# Altium PCB NURIP.PcbDoc (part 12 of 14) (continued)
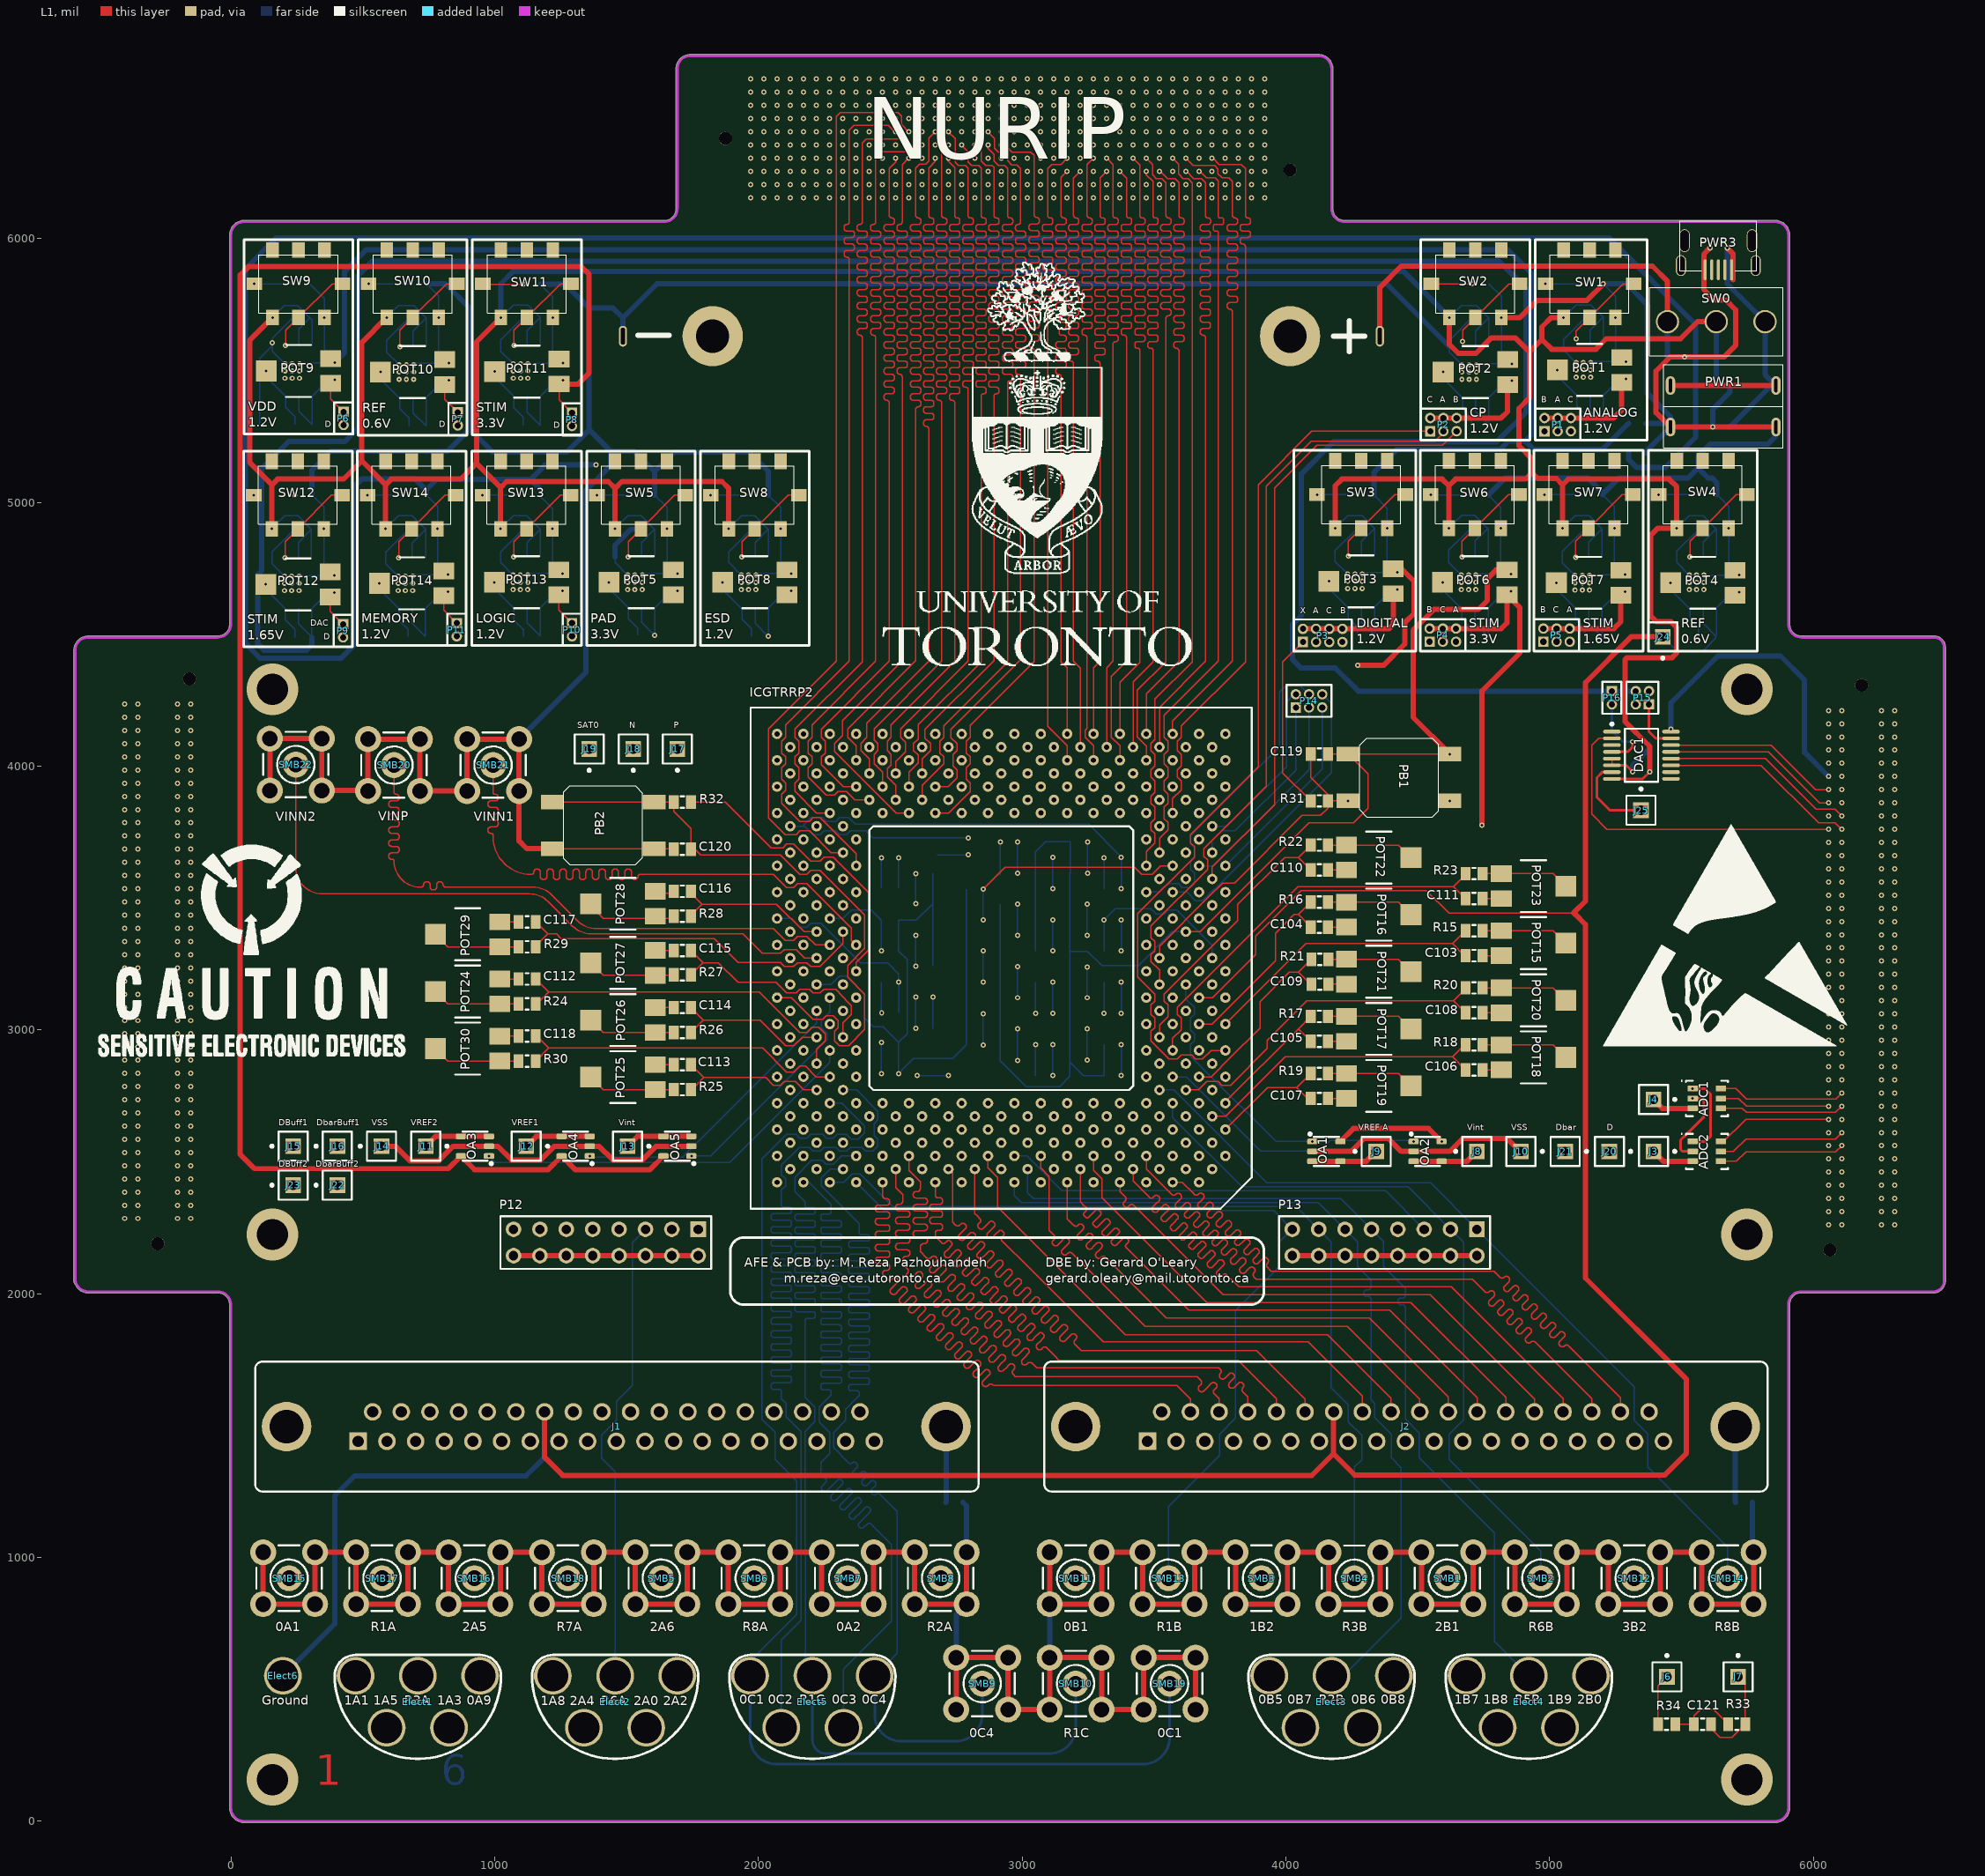
[diagram p0: L1 view]
## Nets (pads, with @x,y where several pads share a name; then routed paths per layer and width w, separated by ;. In a path a pad name is that pad's centre, name@x,y a point inside that pad or via, vN(x,y) a via of type N, cw(c..) or ccw(c..) an arc to the next point about the centre after c; other vN are vias at no path point) (continued)
PER_ADDR(9): FMC1.D23 ICGTRRP2.AM12 | length 3145.3
  L3 w5: v1(3070.24,6454.92) 3096.46,6428.7 3096.46,6088.58 3096.46,6084.51 ccw(c3104.73,6084.51) 3104.73,6076.24 cw(c3104.73,6065.13) 3115.84,6065.13 3115.84,6062.66 cw(c3104.73,6062.66) 3104.73,6051.56 3096.46,6051.56 3088.2,6051.56 ccw(c3088.2,6040.45) 3077.09,6040.45 3077.09,6037.98 ccw(c3088.2,6037.98) 3088.2,6026.87 3096.46,6026.87 3104.41,6026.87 cw(c3104.41,6015.76) 3115.52,6015.76 3115.52,6013.29 cw(c3104.41,6013.29) 3104.41,6002.19 3096.46,6002.19 3088.2,6002.19 ccw(c3088.2,5991.08) 3077.09,5991.08 3077.09,5988.61 ccw(c3088.2,5988.61) 3088.2,5977.5 3096.46,5977.5 3104.41,5977.5 cw(c3104.41,5966.39) 3115.52,5966.39 3115.52,5963.92 cw(c3104.41,5963.92) 3104.41,5952.82 3096.46,5952.82 3088.2,5952.82 ccw(c3088.2,5941.71) 3077.09,5941.71 3077.09,5939.24 ccw(c3088.2,5939.24) 3088.2,5928.13 3096.46,5928.13 3104.41,5928.13 cw(c3104.41,5917.02) 3115.52,5917.02 3115.52,5914.55 cw(c3104.41,5914.55) 3104.41,5903.45 3096.46,5903.45 3088.2,5903.45 ccw(c3088.2,5892.34) 3077.09,5892.34 3077.09,5889.87 ccw(c3088.2,5889.87) 3088.2,5878.76 3096.46,5878.76 3104.41,5878.76 cw(c3104.41,5867.65) 3115.52,5867.65 3115.52,5865.18 cw(c3104.41,5865.18) 3104.41,5854.08 3096.46,5854.08 3088.2,5854.08 ccw(c3088.2,5842.97) 3077.09,5842.97 3077.09,5840.5 ccw(c3088.2,5840.5) 3088.2,5829.39 3096.46,5829.39 3104.41,5829.39 cw(c3104.41,5818.28) 3115.52,5818.28 3115.52,5815.81 cw(c3104.41,5815.81) 3104.41,5804.71 3096.46,5804.71 3088.2,5804.71 ccw(c3088.2,5793.6) 3077.09,5793.6 3077.09,5791.13 ccw(c3088.2,5791.13) 3088.2,5780.02 3096.46,5780.02 3104.41,5780.02 cw(c3104.41,5768.91) 3115.52,5768.91 3115.52,5766.44 cw(c3104.41,5766.44) 3104.41,5755.34 3096.46,5755.34 3088.2,5755.34 ccw(c3088.2,5744.23) 3077.09,5744.23 3077.09,5741.76 ccw(c3088.2,5741.76) 3088.2,5730.65 3096.46,5730.65 3104.71,5730.65 cw(c3104.71,5719.54) 3115.82,5719.54 3115.82,5717.07 cw(c3104.71,5717.07) 3104.71,5705.97 3096.46,5705.97 3088.2,5705.97 ccw(c3088.2,5694.86) 3077.09,5694.86 3077.09,5692.39 ccw(c3088.2,5692.39) 3088.2,5681.28 3096.46,5681.28 3104.71,5681.28 cw(c3104.71,5670.17) 3115.82,5670.17 3115.82,5667.7 cw(c3104.71,5667.7) 3104.71,5656.6 3096.46,5656.6 3088.2,5656.6 ccw(c3088.2,5645.49) 3077.09,5645.49 3077.09,5643.02 ccw(c3088.2,5643.02) 3088.2,5631.91 3096.46,5631.91 3104.71,5631.91 cw(c3104.71,5620.8) 3115.82,5620.8 3115.82,5618.33 cw(c3104.71,5618.33) 3104.71,5607.23 3096.46,5607.23 3088.2,5607.23 ccw(c3088.2,5596.12) 3077.09,5596.12 3077.09,5593.65 ccw(c3088.2,5593.65) 3088.2,5582.54 3087.9,5582.54 cw(c3087.88,5573.96) 3096.46,5573.96 3096.46,5517.72 3096.46,5204.72 3220.71,5080.47 3220.71,4117.72 3252.89,4085.54 3252.89,4058.87 3220.71,4026.69 ICGTRRP2.AM12@3220.71,3972.2
PER_ADDR(10): FMC1.D18 ICGTRRP2.AJ13 | length 3146.4
  L3 w5: v1(2820.24,6454.92) 2844.49,6430.67 2844.49,6090.55 2844.49,6088.06 ccw(c2854.34,6088.06) 2854.34,6078.21 cw(c2854.34,6068.33) 2864.22,6068.33 2864.22,6063.4 cw(c2854.34,6063.4) 2854.34,6053.52 2844.49,6053.52 2834.64,6053.52 ccw(c2834.64,6043.65) 2824.76,6043.65 2824.76,6038.71 ccw(c2834.64,6038.71) 2834.64,6028.84 2844.49,6028.84 2854.34,6028.84 cw(c2854.34,6018.96) 2864.22,6018.96 2864.22,6014.03 cw(c2854.34,6014.03) 2854.34,6004.15 2844.49,6004.15 2834.64,6004.15 ccw(c2834.64,5994.28) 2824.76,5994.28 2824.76,5989.34 ccw(c2834.64,5989.34) 2834.64,5979.47 2844.49,5979.47 2854.34,5979.47 cw(c2854.34,5969.59) 2864.22,5969.59 2864.22,5964.66 cw(c2854.34,5964.66) 2854.34,5954.78 2844.49,5954.78 2834.64,5954.78 ccw(c2834.64,5944.91) 2824.76,5944.91 2824.76,5939.97 ccw(c2834.64,5939.97) 2834.64,5930.1 2844.49,5930.1 2854.34,5930.1 cw(c2854.34,5920.22) 2864.22,5920.22 2864.22,5915.29 cw(c2854.34,5915.29) 2854.34,5905.41 ccw(c2854.34,5895.56) 2844.49,5895.56 2844.49,5870.08 2844.49,5224.41 3007.87,5061.02 3007.87,4104.89 2988.52,4085.54 2988.52,4058.87 3002.89,4044.5 3002.89,3999.91 2988.52,3985.54 2988.52,3958.87 3013.01,3934.39 3013.01,3910.02 2988.52,3885.54 2988.52,3858.87 3057.38,3790.02 3084.04,3790.02 3116.23,3822.2 ICGTRRP2.AJ13@3170.71,3822.2
PER_ADDR(11): FMC1.C19 ICGTRRP2.AL13 | length 3150.5
  L3 w5: v1(2870.24,6504.92) 2873.27,6504.92 2900.77,6477.42 3034.39,6477.42 3045.28,6466.54 3045.28,6090.55 3045.28,6088.06 ccw(c3055.13,6088.06) 3055.13,6078.21 cw(c3055.13,6068.33) 3065,6068.33 3065,6063.4 cw(c3055.13,6063.4) 3055.13,6053.52 3045.28,6053.52 3036.18,6053.52 ccw(c3036.18,6043.65) 3026.3,6043.65 3026.3,6038.71 ccw(c3036.18,6038.71) 3036.18,6028.84 3045.28,6028.84 3055.13,6028.84 cw(c3055.13,6018.96) 3065,6018.96 3065,6014.03 cw(c3055.13,6014.03) 3055.13,6004.15 3045.28,6004.15 3036.18,6004.15 ccw(c3036.18,5994.28) 3026.3,5994.28 3026.3,5989.34 ccw(c3036.18,5989.34) 3036.18,5979.47 3045.28,5979.47 3055.13,5979.47 cw(c3055.13,5969.59) 3065,5969.59 3065,5964.66 cw(c3055.13,5964.66) 3055.13,5954.78 3045.28,5954.78 3036.18,5954.78 ccw(c3036.18,5944.91) 3026.3,5944.91 3026.3,5939.97 ccw(c3036.18,5939.97) 3036.18,5930.1 3045.28,5930.1 3055.13,5930.1 cw(c3055.13,5920.22) 3065,5920.22 3065,5915.29 cw(c3055.13,5915.29) 3055.13,5905.41 3045.28,5905.41 3036.18,5905.41 ccw(c3036.18,5895.54) 3026.3,5895.54 3026.3,5890.6 ccw(c3036.18,5890.6) 3036.18,5880.73 3045.28,5880.73 3055.13,5880.73 cw(c3055.13,5870.85) 3065,5870.85 3065,5865.92 cw(c3055.13,5865.92) 3055.13,5856.04 3045.28,5856.04 3036.18,5856.04 ccw(c3036.18,5846.17) 3026.3,5846.17 3026.3,5841.23 ccw(c3036.18,5841.23) 3036.18,5831.36 3045.28,5831.36 3055.13,5831.36 cw(c3055.13,5821.48) 3065,5821.48 3065,5816.55 cw(c3055.13,5816.55) 3055.13,5806.67 ccw(c3055.13,5796.82) 3045.28,5796.82 3045.28,5714.57 3045.28,5208.66 3202.89,5051.04 3202.89,4099.91 3188.52,4085.54 3188.52,4058.87 3202.89,4044.5 3202.89,4008.87 3170.71,3976.69 ICGTRRP2.AL13@3170.71,3922.2
PER_ADDR(12): FMC1.D20 ICGTRRP2.AK14 | length 3151.1
  L3 w5: v1(2920.24,6454.92) 2944.88,6430.28 2944.88,6090.55 2944.88,6088.06 ccw(c2954.73,6088.06) 2954.73,6078.21 cw(c2954.73,6068.33) 2964.61,6068.33 2964.61,6063.4 cw(c2954.73,6063.4) 2954.73,6053.52 2944.88,6053.52 2935.06,6053.52 ccw(c2935.06,6043.65) 2925.18,6043.65 2925.18,6038.71 ccw(c2935.06,6038.71) 2935.06,6028.84 2944.88,6028.84 2954.71,6028.84 cw(c2954.71,6018.96) 2964.58,6018.96 2964.58,6014.03 cw(c2954.71,6014.03) 2954.71,6004.15 2944.88,6004.15 2935.06,6004.15 ccw(c2935.06,5994.28) 2925.18,5994.28 2925.18,5989.34 ccw(c2935.06,5989.34) 2935.06,5979.47 2944.88,5979.47 2954.71,5979.47 cw(c2954.71,5969.59) 2964.58,5969.59 2964.58,5964.66 cw(c2954.71,5964.66) 2954.71,5954.78 2944.88,5954.78 2935.06,5954.78 ccw(c2935.06,5944.91) 2925.18,5944.91 2925.18,5939.97 ccw(c2935.06,5939.97) 2935.06,5930.1 2944.88,5930.1 2954.71,5930.1 cw(c2954.71,5920.22) 2964.58,5920.22 2964.58,5915.29 cw(c2954.71,5915.29) 2954.71,5905.41 2944.88,5905.41 2935.06,5905.41 ccw(c2935.06,5895.54) 2925.18,5895.54 2925.18,5890.6 ccw(c2935.06,5890.6) 2935.06,5880.73 2944.88,5880.73 2954.71,5880.73 cw(c2954.71,5870.85) 2964.58,5870.85 2964.58,5865.92 cw(c2954.71,5865.92) 2954.71,5856.04 2944.88,5856.04 2935.06,5856.04 ccw(c2935.06,5846.17) 2925.18,5846.17 2925.18,5841.23 ccw(c2935.06,5841.23) 2935.06,5831.36 2944.88,5831.36 2954.71,5831.36 cw(c2954.71,5821.48) 2964.58,5821.48 2964.58,5816.55 cw(c2954.71,5816.55) 2954.71,5806.67 2944.88,5806.67 2935.06,5806.67 ccw(c2935.06,5796.8) 2925.18,5796.8 2925.18,5791.86 ccw(c2935.06,5791.86) 2935.06,5781.99 2944.88,5781.99 2954.71,5781.99 cw(c2954.71,5772.11) 2964.58,5772.11 2964.58,5767.18 cw(c2954.71,5767.18) 2954.71,5757.3 2944.88,5757.3 2935.06,5757.3 ccw(c2935.06,5747.43) 2925.18,5747.43 2925.18,5742.49 ccw(c2935.06,5742.49) 2935.06,5732.62 2944.88,5732.62 2954.71,5732.62 cw(c2954.71,5722.74) 2964.58,5722.74 2964.58,5717.81 cw(c2954.71,5717.81) 2954.71,5707.93 ; 2954.73,5707.93 ccw(c2954.73,5698.08) 2944.88,5698.08 2944.88,5645.67 2944.88,5214.57 3110.24,5049.21 3110.24,4107.25 3088.52,4085.54 3088.52,4058.87 3102.89,4044.5 3102.89,3999.91 3088.52,3985.54 3088.52,3958.87 3120.71,3926.69 ICGTRRP2.AK14@3120.71,3872.2
PER_ADDR(13): FMC1.D21 ICGTRRP2.AM14 | length 3145.2
  L3 w5: v1(2970.24,6454.92) 2998.03,6427.13 2998.03,6414.54 2997.74,6414.24 2997.74,6088.58 2997.74,6084.14 ccw(c3005.63,6084.14) 3005.63,6076.24 cw(c3005.63,6065.13) 3016.74,6065.13 3016.74,6062.66 cw(c3005.63,6062.66) 3005.63,6051.56 2997.74,6051.56 2989.42,6051.56 ccw(c2989.42,6040.45) 2978.32,6040.45 2978.32,6037.98 ccw(c2989.42,6037.98) 2989.42,6026.87 2997.74,6026.87 3005.37,6026.87 cw(c3005.37,6015.76) 3016.47,6015.76 3016.47,6013.29 cw(c3005.37,6013.29) 3005.37,6002.19 2997.74,6002.19 2989.42,6002.19 ccw(c2989.42,5991.08) 2978.32,5991.08 2978.32,5988.61 ccw(c2989.42,5988.61) 2989.42,5977.5 2997.74,5977.5 3005.37,5977.5 cw(c3005.37,5966.39) 3016.47,5966.39 3016.47,5963.92 cw(c3005.37,5963.92) 3005.37,5952.82 2997.74,5952.82 2989.42,5952.82 ccw(c2989.42,5941.71) 2978.32,5941.71 2978.32,5939.24 ccw(c2989.42,5939.24) 2989.42,5928.13 2997.74,5928.13 3005.37,5928.13 cw(c3005.37,5917.02) 3016.47,5917.02 3016.47,5914.55 cw(c3005.37,5914.55) 3005.37,5903.45 2997.74,5903.45 2989.42,5903.45 ccw(c2989.42,5892.34) 2978.32,5892.34 2978.32,5889.87 ccw(c2989.42,5889.87) 2989.42,5878.76 2997.74,5878.76 3005.37,5878.76 cw(c3005.37,5867.65) 3016.47,5867.65 3016.47,5865.18 cw(c3005.37,5865.18) 3005.37,5854.08 2997.74,5854.08 2989.42,5854.08 ccw(c2989.42,5842.97) 2978.32,5842.97 2978.32,5840.5 ccw(c2989.42,5840.5) 2989.42,5829.39 2997.74,5829.39 3006.05,5829.39 cw(c3006.05,5818.28) 3017.16,5818.28 3017.16,5815.81 cw(c3006.05,5815.81) 3006.05,5804.71 2997.74,5804.71 2989.42,5804.71 ccw(c2989.42,5793.6) 2978.32,5793.6 2978.32,5791.13 ccw(c2989.42,5791.13) 2989.42,5780.02 2997.74,5780.02 3006.05,5780.02 cw(c3006.05,5768.91) 3017.16,5768.91 3017.16,5766.44 cw(c3006.05,5766.44) 3006.05,5755.34 2997.74,5755.34 2989.42,5755.34 ccw(c2989.42,5744.23) 2978.32,5744.23 2978.32,5741.76 ccw(c2989.42,5741.76) 2989.42,5730.65 2997.74,5730.65 3006.05,5730.65 cw(c3006.05,5719.54) 3017.16,5719.54 3017.16,5717.07 cw(c3006.05,5717.07) 3006.05,5705.97 2997.74,5705.97 2989.42,5705.97 ccw(c2989.42,5694.86) 2978.32,5694.86 2978.32,5692.39 ccw(c2989.42,5692.39) 2989.42,5681.28 2997.74,5681.28 3006.05,5681.28 cw(c3006.05,5670.17) 3017.16,5670.17 3017.16,5667.7 cw(c3006.05,5667.7) 3006.05,5656.6 2997.74,5656.6 2989.42,5656.6 ccw(c2989.42,5645.49) 2978.32,5645.49 2978.32,5643.02 ccw(c2989.42,5643.02) 2989.42,5631.91 2997.74,5631.91 3006.05,5631.91 cw(c3006.05,5620.8) 3017.16,5620.8 3017.16,5618.33 cw(c3006.05,5618.33) 3006.05,5607.23 2997.74,5607.23 2989.42,5607.23 ccw(c2989.42,5596.12) 2978.32,5596.12 2978.32,5593.65 ccw(c2989.42,5593.65) 2989.42,5582.54 2989.17,5582.54 cw(c2989.16,5573.96) 2997.74,5573.96 2997.74,5535.43 2997.74,5208.96 3133.86,5072.83 3133.86,4104.57 3152.89,4085.54 3152.89,4058.87 3120.71,4026.69 ICGTRRP2.AM14@3120.71,3972.2
PER_EN: FMC1.D11 ICGTRRP2.AN15 | length 2726.8
  L4 w5: v1(2470.24,6454.92) 2470.24,6440.71 2447.74,6418.21 2447.74,4599.51 3022.22,4025.02 3067.89,4025.02 ICGTRRP2.AN15@3070.71,4022.2
PER_WEN: FMC1.D14 ICGTRRP2.AP14 | length 2611.7
  L2 w5: v1@2620.24,6451.89 v1(2620.24,6454.92)
  L4 w5: v1(2620.24,6454.92) 2597.74,6432.42 2597.74,4646.36 3120.71,4123.39 ICGTRRP2.AP14@3120.71,4072.2
PHI1_A: FMC2.H26 ICGTRRP2.N5 | length 2847
  L4 w5: ICGTRRP2.N5@3570.71,3022.2 3570.71,2972.6 3603.29,2940.02 3634.04,2940.02 3648.5,2954.48 3692.91,2954.48 3707.38,2940.02 3743.01,2940.02 3757.38,2954.39 3865.81,2954.39 3872.28,2960.87 5532.92,2960.87 ccw(c5532.92,2963.72) 5535.77,2963.72 cw(c5545.64,2963.72) 5545.64,2973.59 5550.58,2973.59 cw(c5550.58,2963.72) 5560.45,2963.72 5560.45,2954.99 ccw(c5570.33,2954.99) 5570.33,2945.12 5575.26,2945.12 ccw(c5575.26,2954.99) 5585.14,2954.99 5585.14,2963.72 cw(c5595.01,2963.72) 5595.01,2973.59 5599.95,2973.59 cw(c5599.95,2963.72) 5609.82,2963.72 5609.82,2954.99 ccw(c5619.7,2954.99) 5619.7,2945.12 5624.63,2945.12 ccw(c5624.63,2954.99) 5634.51,2954.99 5634.51,2963.72 cw(c5644.38,2963.72) 5644.38,2973.59 5649.32,2973.59 cw(c5649.32,2963.72) 5659.19,2963.72 5659.19,2954.99 ccw(c5669.07,2954.99) 5669.07,2945.12 5674,2945.12 ccw(c5674,2954.99) 5683.88,2954.99 5683.88,2963.72 cw(c5693.75,2963.72) 5693.75,2973.59 5698.69,2973.59 cw(c5698.69,2963.72) 5708.56,2963.72 5708.56,2954.99 ccw(c5718.44,2954.99) 5718.44,2945.12 5723.37,2945.12 ccw(c5723.37,2954.99) 5733.25,2954.99 5733.25,2963.72 cw(c5743.12,2963.72) 5743.12,2973.59 5748.06,2973.59 cw(c5748.06,2963.72) 5757.93,2963.72 5757.93,2954.99 ccw(c5767.81,2954.99) 5767.81,2945.12 5772.74,2945.12 ccw(c5772.74,2954.99) 5782.62,2954.99 5782.62,2963.72 cw(c5792.49,2963.72) 5792.49,2973.59 5797.43,2973.59 cw(c5797.43,2963.72) 5807.3,2963.72 5807.3,2954.99 ccw(c5817.18,2954.99) 5817.18,2945.12 5822.11,2945.12 ccw(c5822.11,2954.99) 5831.99,2954.99 5831.99,2963.57 cw(c5841.86,2963.57) 5841.86,2973.44 5846.8,2973.44 cw(c5846.8,2963.57) 5856.67,2963.57 5856.67,2954.99 ccw(c5866.55,2954.99) 5866.55,2945.12 5871.48,2945.12 ccw(c5871.48,2954.99) 5881.36,2954.99 cw(c5887.23,2954.99) 5887.23,2960.87 v1(6058.07,2960.87)
PHI1_B: FMC2.H13 ICGTRRP2.AC3 | length 2853.1
  L4 w5: ICGTRRP2.AC3@3670.71,3522.2 3725.19,3522.2 3757.38,3554.39 3784.04,3554.39 3828.08,3598.43 5406.47,3598.43 cw(c5406.47,3592.55) 5412.34,3592.64 ; v1(6058.07,3610.87) 6045.63,3598.43 5887.23,3598.43 ccw(c5887.23,3592.55) 5881.36,3592.55 cw(c5871.48,3592.55) 5871.48,3582.68 5866.55,3582.68 cw(c5866.55,3592.55) 5856.67,3592.55 5856.67,3604.2 ccw(c5846.8,3604.2) 5846.8,3614.08 5841.86,3614.08 ccw(c5841.86,3604.2) 5831.99,3604.2 5831.99,3592.65 cw(c5822.11,3592.65) 5822.11,3582.77 5817.18,3582.77 cw(c5817.18,3592.65) 5807.3,3592.65 5807.3,3604.2 ccw(c5797.43,3604.2) 5797.43,3614.08 5792.49,3614.08 ccw(c5792.49,3604.2) 5782.62,3604.2 5782.62,3592.65 cw(c5772.74,3592.65) 5772.74,3582.77 5767.81,3582.77 cw(c5767.81,3592.65) 5757.93,3592.65 5757.93,3604.2 ccw(c5748.06,3604.2) 5748.06,3614.08 5743.12,3614.08 ccw(c5743.12,3604.2) 5733.25,3604.2 5733.25,3592.65 cw(c5723.37,3592.65) 5723.37,3582.77 5718.44,3582.77 cw(c5718.44,3592.65) 5708.56,3592.65 5708.56,3604.2 ccw(c5698.69,3604.2) 5698.69,3614.08 5693.75,3614.08 ccw(c5693.75,3604.2) 5683.88,3604.2 5683.88,3592.65 cw(c5674,3592.65) 5674,3582.77 5669.07,3582.77 cw(c5669.07,3592.65) 5659.19,3592.65 5659.19,3604.2 ccw(c5649.32,3604.2) 5649.32,3614.08 5644.38,3614.08 ccw(c5644.38,3604.2) 5634.51,3604.2 5634.51,3592.65 cw(c5624.63,3592.65) 5624.63,3582.77 5619.7,3582.77 cw(c5619.7,3592.65) 5609.82,3592.65 5609.82,3604.2 ccw(c5599.95,3604.2) 5599.95,3614.08 5595.01,3614.08 ccw(c5595.01,3604.2) 5585.14,3604.2 5585.14,3592.65 cw(c5575.26,3592.65) 5575.26,3582.77 5570.33,3582.77 cw(c5570.33,3592.65) 5560.45,3592.65 5560.45,3604.2 ccw(c5550.58,3604.2) 5550.58,3614.08 5545.64,3614.08 ccw(c5545.64,3604.2) 5535.77,3604.2 5535.77,3592.65 cw(c5525.89,3592.65) 5525.89,3582.77 5520.96,3582.77 cw(c5520.96,3592.65) 5511.08,3592.65 5511.08,3604.2 ccw(c5501.21,3604.2) 5501.21,3614.08 5496.27,3614.08 ccw(c5496.27,3604.2) 5486.4,3604.2 5486.4,3592.65 cw(c5476.52,3592.65) 5476.52,3582.77 5471.59,3582.77 cw(c5471.59,3592.65) 5461.71,3592.65 5461.71,3604.2 ccw(c5451.84,3604.2) 5451.84,3614.08 5446.9,3614.08 ccw(c5446.9,3604.2) 5437.03,3604.2 5437.03,3592.65 cw(c5427.15,3592.65) 5427.15,3582.77 5422.22,3582.77 cw(c5422.22,3592.65) 5412.34,3592.56 ; 5412.34,3592.56 ccw(c5406.47,3592.55) 5412.34,3592.64 ; 5412.34,3592.56 cw(c5422.22,3592.65) 5412.34,3592.64 ; 5412.34,3592.56 5412.34,3592.64
PHI1_D: FMC3.H16 ICGTRRP2.K34 | length 2700.4
  L4 w5: v1(-152.56,3035.2) 21.63,3035.2 ccw(c21.63,3037.73) 24.15,3037.73 cw(c36.5,3037.73) 36.5,3050.07 cw(c36.5,3037.73) 48.84,3037.73 48.84,3031.79 ccw(c61.18,3031.79) 61.18,3019.45 ccw(c61.18,3031.79) 73.52,3031.79 73.52,3037.73 cw(c85.87,3037.73) 85.87,3050.07 cw(c85.87,3037.73) 98.21,3037.73 98.21,3031.79 ccw(c110.55,3031.79) 110.55,3019.45 ccw(c110.55,3031.79) 122.89,3031.79 122.89,3037.73 cw(c135.24,3037.73) 135.24,3050.07 cw(c135.24,3037.73) 147.58,3037.73 147.58,3031.79 ccw(c159.92,3031.79) 159.92,3019.45 ccw(c159.92,3031.79) 172.26,3031.79 172.26,3037.73 cw(c184.61,3037.73) 184.61,3050.07 cw(c184.61,3037.73) 196.95,3037.73 196.95,3031.79 ccw(c209.29,3031.79) 209.29,3019.45 ccw(c209.29,3031.79) 221.63,3031.79 221.63,3037.73 cw(c233.98,3037.73) 233.98,3050.07 cw(c233.98,3037.73) 246.32,3037.73 246.32,3031.79 ccw(c258.66,3031.79) 258.66,3019.45 ccw(c258.66,3031.79) 271,3031.79 271,3037.73 cw(c283.35,3037.73) 283.35,3050.07 cw(c283.35,3037.73) 295.69,3037.73 295.69,3031.79 ccw(c308.03,3031.79) 308.03,3019.45 ccw(c308.03,3031.79) 320.37,3031.79 320.37,3037.73 cw(c332.72,3037.73) 332.72,3050.07 cw(c332.72,3037.73) 345.06,3037.73 345.06,3031.79 ccw(c357.4,3031.79) 357.4,3019.45 ccw(c357.4,3031.79) 369.74,3031.79 369.74,3037.73 cw(c382.09,3037.73) 382.09,3050.07 cw(c382.09,3037.73) 394.43,3037.73 394.43,3031.79 ccw(c406.77,3031.79) 406.77,3019.45 ccw(c406.77,3031.79) 419.11,3031.79 419.11,3038.6 cw(c431.46,3038.6) 431.46,3050.94 cw(c431.46,3038.6) 443.8,3038.6 443.8,3031.79 ccw(c456.14,3031.79) 456.14,3019.45 ccw(c456.14,3031.79) 468.48,3031.79 cw(c471.89,3031.79) 471.89,3035.2 1848.66,3035.2 2011.65,2872.2 ICGTRRP2.K34@2120.71,2872.2
PHI2_A: FMC2.H23 ICGTRRP2.P6 | length 2853
  L4 w5: ICGTRRP2.P6@3520.71,3072.2 3575.19,3072.2 3608.27,3105.28 3642.12,3105.28 3657.38,3090.02 3684.04,3090.02 3698.41,3104.39 3742.12,3104.39 3756.49,3090.02 3845.93,3090.02 3866.77,3110.87 5506.44,3110.87 cw(c5506.44,3106.23) 5511.08,3106.27 ccw(c5522.19,3106.27) 5522.19,3095.17 5524.66,3095.17 ccw(c5524.66,3106.27) 5535.77,3106.27 5535.77,3111.96 cw(c5546.88,3111.96) 5546.88,3123.07 5549.35,3123.07 cw(c5549.35,3111.96) 5560.45,3111.96 5560.45,3106.27 ccw(c5571.56,3106.27) 5571.56,3095.17 5574.03,3095.17 ccw(c5574.03,3106.27) 5585.14,3106.27 5585.14,3111.96 cw(c5596.25,3111.96) 5596.25,3123.07 5598.72,3123.07 cw(c5598.72,3111.96) 5609.82,3111.96 5609.82,3106.27 ccw(c5620.93,3106.27) 5620.93,3095.17 5623.4,3095.17 ccw(c5623.4,3106.27) 5634.51,3106.27 5634.51,3111.96 cw(c5645.62,3111.96) 5645.62,3123.07 5648.09,3123.07 cw(c5648.09,3111.96) 5659.19,3111.96 5659.19,3106.27 ccw(c5670.3,3106.27) 5670.3,3095.17 5672.77,3095.17 ccw(c5672.77,3106.27) 5683.88,3106.27 5683.88,3111.96 cw(c5694.99,3111.96) 5694.99,3123.07 5697.46,3123.07 cw(c5697.46,3111.96) 5708.56,3111.96 5708.56,3106.27 ccw(c5719.67,3106.27) 5719.67,3095.17 5722.14,3095.17 ccw(c5722.14,3106.27) 5733.25,3106.27 5733.25,3111.96 cw(c5744.36,3111.96) 5744.36,3123.07 5746.83,3123.07 cw(c5746.83,3111.96) 5757.93,3111.96 5757.93,3106.27 ccw(c5769.04,3106.27) 5769.04,3095.17 5771.51,3095.17 ccw(c5771.51,3106.27) 5782.62,3106.27 5782.62,3111.96 cw(c5793.73,3111.96) 5793.73,3123.07 5796.2,3123.07 cw(c5796.2,3111.96) 5807.3,3111.96 5807.3,3106.27 ccw(c5818.41,3106.27) 5818.41,3095.17 5820.88,3095.17 ccw(c5820.88,3106.27) 5831.99,3106.27 5831.99,3111.89 cw(c5843.1,3111.89) 5843.1,3123 5845.57,3123 cw(c5845.57,3111.89) 5856.67,3111.89 5856.67,3106.23 ccw(c5867.78,3106.23) 5867.78,3095.12 5870.25,3095.12 ccw(c5870.25,3106.23) 5881.36,3106.23 cw(c5886,3106.23) 5886,3110.87 v1(6058.07,3110.87)
PHI2_B: FMC2.G16 ICGTRRP2.AB2 | length 2852.4
  L4 w5: ICGTRRP2.AB2@3720.71,3472.2 3865.91,3472.2 3879.92,3486.22 5307.73,3486.22 cw(c5307.73,3480.35) 5313.6,3480.35 ccw(c5323.48,3480.35) 5323.48,3470.47 5328.41,3470.47 ccw(c5328.41,3480.35) 5338.29,3480.35 5338.29,3492.09 cw(c5348.16,3492.09) 5348.16,3501.97 5353.1,3501.97 cw(c5353.1,3492.09) 5362.97,3492.09 5362.97,3480.35 ccw(c5372.85,3480.35) 5372.85,3470.47 5377.78,3470.47 ccw(c5377.78,3480.35) 5387.66,3480.35 5387.66,3492.09 cw(c5397.53,3492.09) 5397.53,3501.97 5402.47,3501.97 cw(c5402.47,3492.09) 5412.34,3492.09 5412.34,3480.35 ccw(c5422.22,3480.35) 5422.22,3470.47 5427.15,3470.47 ccw(c5427.15,3480.35) 5437.03,3480.35 5437.03,3492.09 cw(c5446.9,3492.09) 5446.9,3501.97 5451.84,3501.97 cw(c5451.84,3492.09) 5461.71,3492.09 5461.71,3480.35 ccw(c5471.59,3480.35) 5471.59,3470.47 5476.52,3470.47 ccw(c5476.52,3480.35) 5486.4,3480.35 5486.4,3487.39 cw(c5496.27,3487.39) 5496.27,3497.26 5501.21,3497.26 cw(c5501.21,3487.39) 5511.08,3487.39 5511.08,3480.35 ccw(c5520.96,3480.35) 5520.96,3470.47 5525.89,3470.47 ccw(c5525.89,3480.35) 5535.77,3480.35 5535.77,3487.39 cw(c5545.64,3487.39) 5545.64,3497.26 5550.58,3497.26 cw(c5550.58,3487.39) 5560.45,3487.39 5560.45,3480.35 ccw(c5570.33,3480.35) 5570.33,3470.47 5575.26,3470.47 ccw(c5575.26,3480.35) 5585.14,3480.35 5585.14,3487.39 cw(c5595.01,3487.39) 5595.01,3497.26 5599.95,3497.26 cw(c5599.95,3487.39) 5609.82,3487.39 5609.82,3480.35 ccw(c5619.7,3480.35) 5619.7,3470.47 5624.63,3470.47 ccw(c5624.63,3480.35) 5634.51,3480.35 5634.51,3487.39 cw(c5644.38,3487.39) 5644.38,3497.26 5649.32,3497.26 cw(c5649.32,3487.39) 5659.19,3487.39 5659.19,3480.35 ccw(c5669.07,3480.35) 5669.07,3470.47 5674,3470.47 ccw(c5674,3480.35) 5683.88,3480.35 5683.88,3487.39 cw(c5693.75,3487.39) 5693.75,3497.26 5698.69,3497.26 cw(c5698.69,3487.39) 5708.56,3487.39 5708.56,3480.35 ccw(c5718.44,3480.35) 5718.44,3470.47 5723.37,3470.47 ccw(c5723.37,3480.35) 5733.25,3480.35 5733.25,3487.39 cw(c5743.12,3487.39) 5743.12,3497.26 5748.06,3497.26 cw(c5748.06,3487.39) 5757.93,3487.39 5757.93,3480.35 ccw(c5767.81,3480.35) 5767.81,3470.47 5772.74,3470.47 ccw(c5772.74,3480.35) 5782.62,3480.35 5782.62,3487.39 cw(c5792.49,3487.39) 5792.49,3497.26 5797.43,3497.26 cw(c5797.43,3487.39) 5807.3,3487.39 5807.3,3480.35 ccw(c5817.18,3480.35) 5817.18,3470.47 5822.11,3470.47 ccw(c5822.11,3480.35) 5831.99,3480.35 5831.99,3487.19 cw(c5841.86,3487.19) 5841.86,3497.06 5846.8,3497.06 cw(c5846.8,3487.19) 5856.67,3487.19 5856.67,3480.35 ccw(c5866.55,3480.35) 5866.55,3470.47 5871.48,3470.47 ccw(c5871.48,3480.35) 5881.36,3480.35 cw(c5887.23,3480.35) 5887.23,3486.22 6082.72,3486.22 v1(6108.07,3460.87)
PHI2_D: FMC3.H19 ICGTRRP2.M34 | length 2696.1
  L4 w5: v1(-152.56,3185.2) 22.75,3185.2 ccw(c22.75,3186.6) 24.15,3186.6 cw(c34.03,3186.6) 34.03,3196.48 38.96,3196.48 cw(c38.96,3186.6) 48.84,3186.6 48.84,3179.32 ccw(c58.71,3179.32) 58.71,3169.45 63.65,3169.45 ccw(c63.65,3179.32) 73.52,3179.32 73.52,3186.6 cw(c83.4,3186.6) 83.4,3196.48 88.33,3196.48 cw(c88.33,3186.6) 98.21,3186.6 98.21,3179.32 ccw(c108.08,3179.32) 108.08,3169.45 113.02,3169.45 ccw(c113.02,3179.32) 122.89,3179.32 122.89,3186.6 cw(c132.77,3186.6) 132.77,3196.48 137.7,3196.48 cw(c137.7,3186.6) 147.58,3186.6 147.58,3179.32 ccw(c157.45,3179.32) 157.45,3169.45 162.39,3169.45 ccw(c162.39,3179.32) 172.26,3179.32 172.26,3186.6 cw(c182.14,3186.6) 182.14,3196.48 187.07,3196.48 cw(c187.07,3186.6) 196.95,3186.6 196.95,3179.32 ccw(c206.82,3179.32) 206.82,3169.45 211.76,3169.45 ccw(c211.76,3179.32) 221.63,3179.32 221.63,3186.6 cw(c231.51,3186.6) 231.51,3196.48 236.44,3196.48 cw(c236.44,3186.6) 246.32,3186.6 246.32,3179.32 ccw(c256.19,3179.32) 256.19,3169.45 261.13,3169.45 ccw(c261.13,3179.32) 271,3179.32 271,3186.6 cw(c280.88,3186.6) 280.88,3196.48 285.81,3196.48 cw(c285.81,3186.6) 295.69,3186.6 295.69,3179.32 ccw(c305.56,3179.32) 305.56,3169.45 310.5,3169.45 ccw(c310.5,3179.32) 320.37,3179.32 320.37,3191.07 cw(c330.25,3191.07) 330.25,3200.94 335.18,3200.94 cw(c335.18,3191.07) 345.06,3191.07 345.06,3179.32 ccw(c354.93,3179.32) 354.93,3169.45 359.87,3169.45 ccw(c359.87,3179.32) 369.74,3179.32 369.74,3191.07 cw(c379.62,3191.07) 379.62,3200.94 384.55,3200.94 cw(c384.55,3191.07) 394.43,3191.07 394.43,3179.32 ccw(c404.3,3179.32) 404.3,3169.45 409.24,3169.45 ccw(c409.24,3179.32) 419.11,3179.32 419.11,3191.07 cw(c428.99,3191.07) 428.99,3200.94 433.92,3200.94 cw(c433.92,3191.07) 443.8,3191.07 ccw(c449.67,3191.07) 449.67,3185.2 1820.71,3185.2 2033.7,2972.2 ICGTRRP2.M34@2120.71,2972.2
PHI3_A: FMC2.G25 ICGTRRP2.N7 | length 2853.1
  L4 w5: ICGTRRP2.N7@3470.71,3022.2 3525.19,3022.2 3557.38,3054.39 3593.01,3054.39 3657.38,2990.02 3693.01,2990.02 3707.38,3004.39 3743.01,3004.39 3757.38,2990.02 3822.7,2990.02 3868.11,3035.43 5703.92,3035.43 cw(c5703.92,3030.79) 5708.56,3030.86 ; v1(6108.07,3010.87) 6083.5,3035.43 5886,3035.43 ccw(c5886,3030.79) 5881.36,3030.79 cw(c5870.25,3030.79) 5870.25,3019.69 5867.78,3019.69 cw(c5867.78,3030.79) 5856.67,3030.79 5856.67,3037.65 ccw(c5845.57,3037.65) 5845.57,3048.76 5843.1,3048.76 ccw(c5843.1,3037.65) 5831.99,3037.65 5831.99,3030.88 cw(c5820.88,3030.88) 5820.88,3019.77 5818.41,3019.77 cw(c5818.41,3030.88) 5807.3,3030.88 5807.3,3037.65 ccw(c5796.2,3037.65) 5796.2,3048.76 5793.73,3048.76 ccw(c5793.73,3037.65) 5782.62,3037.65 5782.62,3030.88 cw(c5771.51,3030.88) 5771.51,3019.77 5769.04,3019.77 cw(c5769.04,3030.88) 5757.93,3030.88 5757.93,3037.65 ccw(c5746.83,3037.65) 5746.83,3048.76 5744.36,3048.76 ccw(c5744.36,3037.65) 5733.25,3037.65 5733.25,3030.88 cw(c5722.14,3030.88) 5722.14,3019.77 5719.67,3019.77 cw(c5719.67,3030.88) 5708.56,3030.81 ; 5708.56,3030.81 ccw(c5703.92,3030.79) 5708.56,3030.86 ; 5708.56,3030.81 cw(c5719.67,3030.88) 5708.56,3030.86 ; 5708.56,3030.81 5708.56,3030.86
PHI3_D: FMC3.G22 ICGTRRP2.N33 | length 2693.2
  L4 w5: v1(-202.56,3335.2) -175.06,3307.7 -108.88,3307.7 -98.43,3297.24 18.65,3297.24 ccw(c18.65,3302.75) 24.15,3302.75 cw(c30.32,3302.75) 30.32,3308.92 42.67,3308.92 cw(c42.67,3302.75) 48.84,3302.75 48.84,3287.67 ccw(c55.01,3287.67) 55.01,3281.5 67.35,3281.5 ccw(c67.35,3287.67) 73.52,3287.67 73.52,3302.75 cw(c79.69,3302.75) 79.69,3308.92 92.04,3308.92 cw(c92.04,3302.75) 98.21,3302.75 98.21,3287.67 ccw(c104.38,3287.67) 104.38,3281.5 116.72,3281.5 ccw(c116.72,3287.67) 122.89,3287.67 122.89,3302.75 cw(c129.06,3302.75) 129.06,3308.92 141.41,3308.92 cw(c141.41,3302.75) 147.58,3302.75 147.58,3287.67 ccw(c153.75,3287.67) 153.75,3281.5 166.09,3281.5 ccw(c166.09,3287.67) 172.26,3287.67 172.26,3302.75 cw(c178.43,3302.75) 178.43,3308.92 190.78,3308.92 cw(c190.78,3302.75) 196.95,3302.75 196.95,3287.67 ccw(c203.12,3287.67) 203.12,3281.5 215.46,3281.5 ccw(c215.46,3287.67) 221.63,3287.67 221.63,3302.75 cw(c227.8,3302.75) 227.8,3308.92 240.15,3308.92 cw(c240.15,3302.75) 246.32,3302.75 ccw(c251.82,3302.75) 251.82,3297.24 1789.37,3297.24 2029.53,3057.09 2081.34,3057.09 2116.23,3022.2 ICGTRRP2.N33@2170.71,3022.2
REF1A: ICGTRRP2.D28 P12.15 SMB15.1 | length 3192.9
  L2 w5: SMB15.1@220.47,921.26 220.47,1068.9 425.2,1273.62 425.2,1597.64 P12.15@1071.65,2244.09 1217.56,2390 2293.54,2390 2338.52,2434.98 2338.52,2435.54 2407.38,2504.39 2407.93,2504.39 2420.71,2517.17 ICGTRRP2.D28@2420.71,2572.2